# Altium PCB PCB4.PcbDoc (part 11 of 12) (continued)
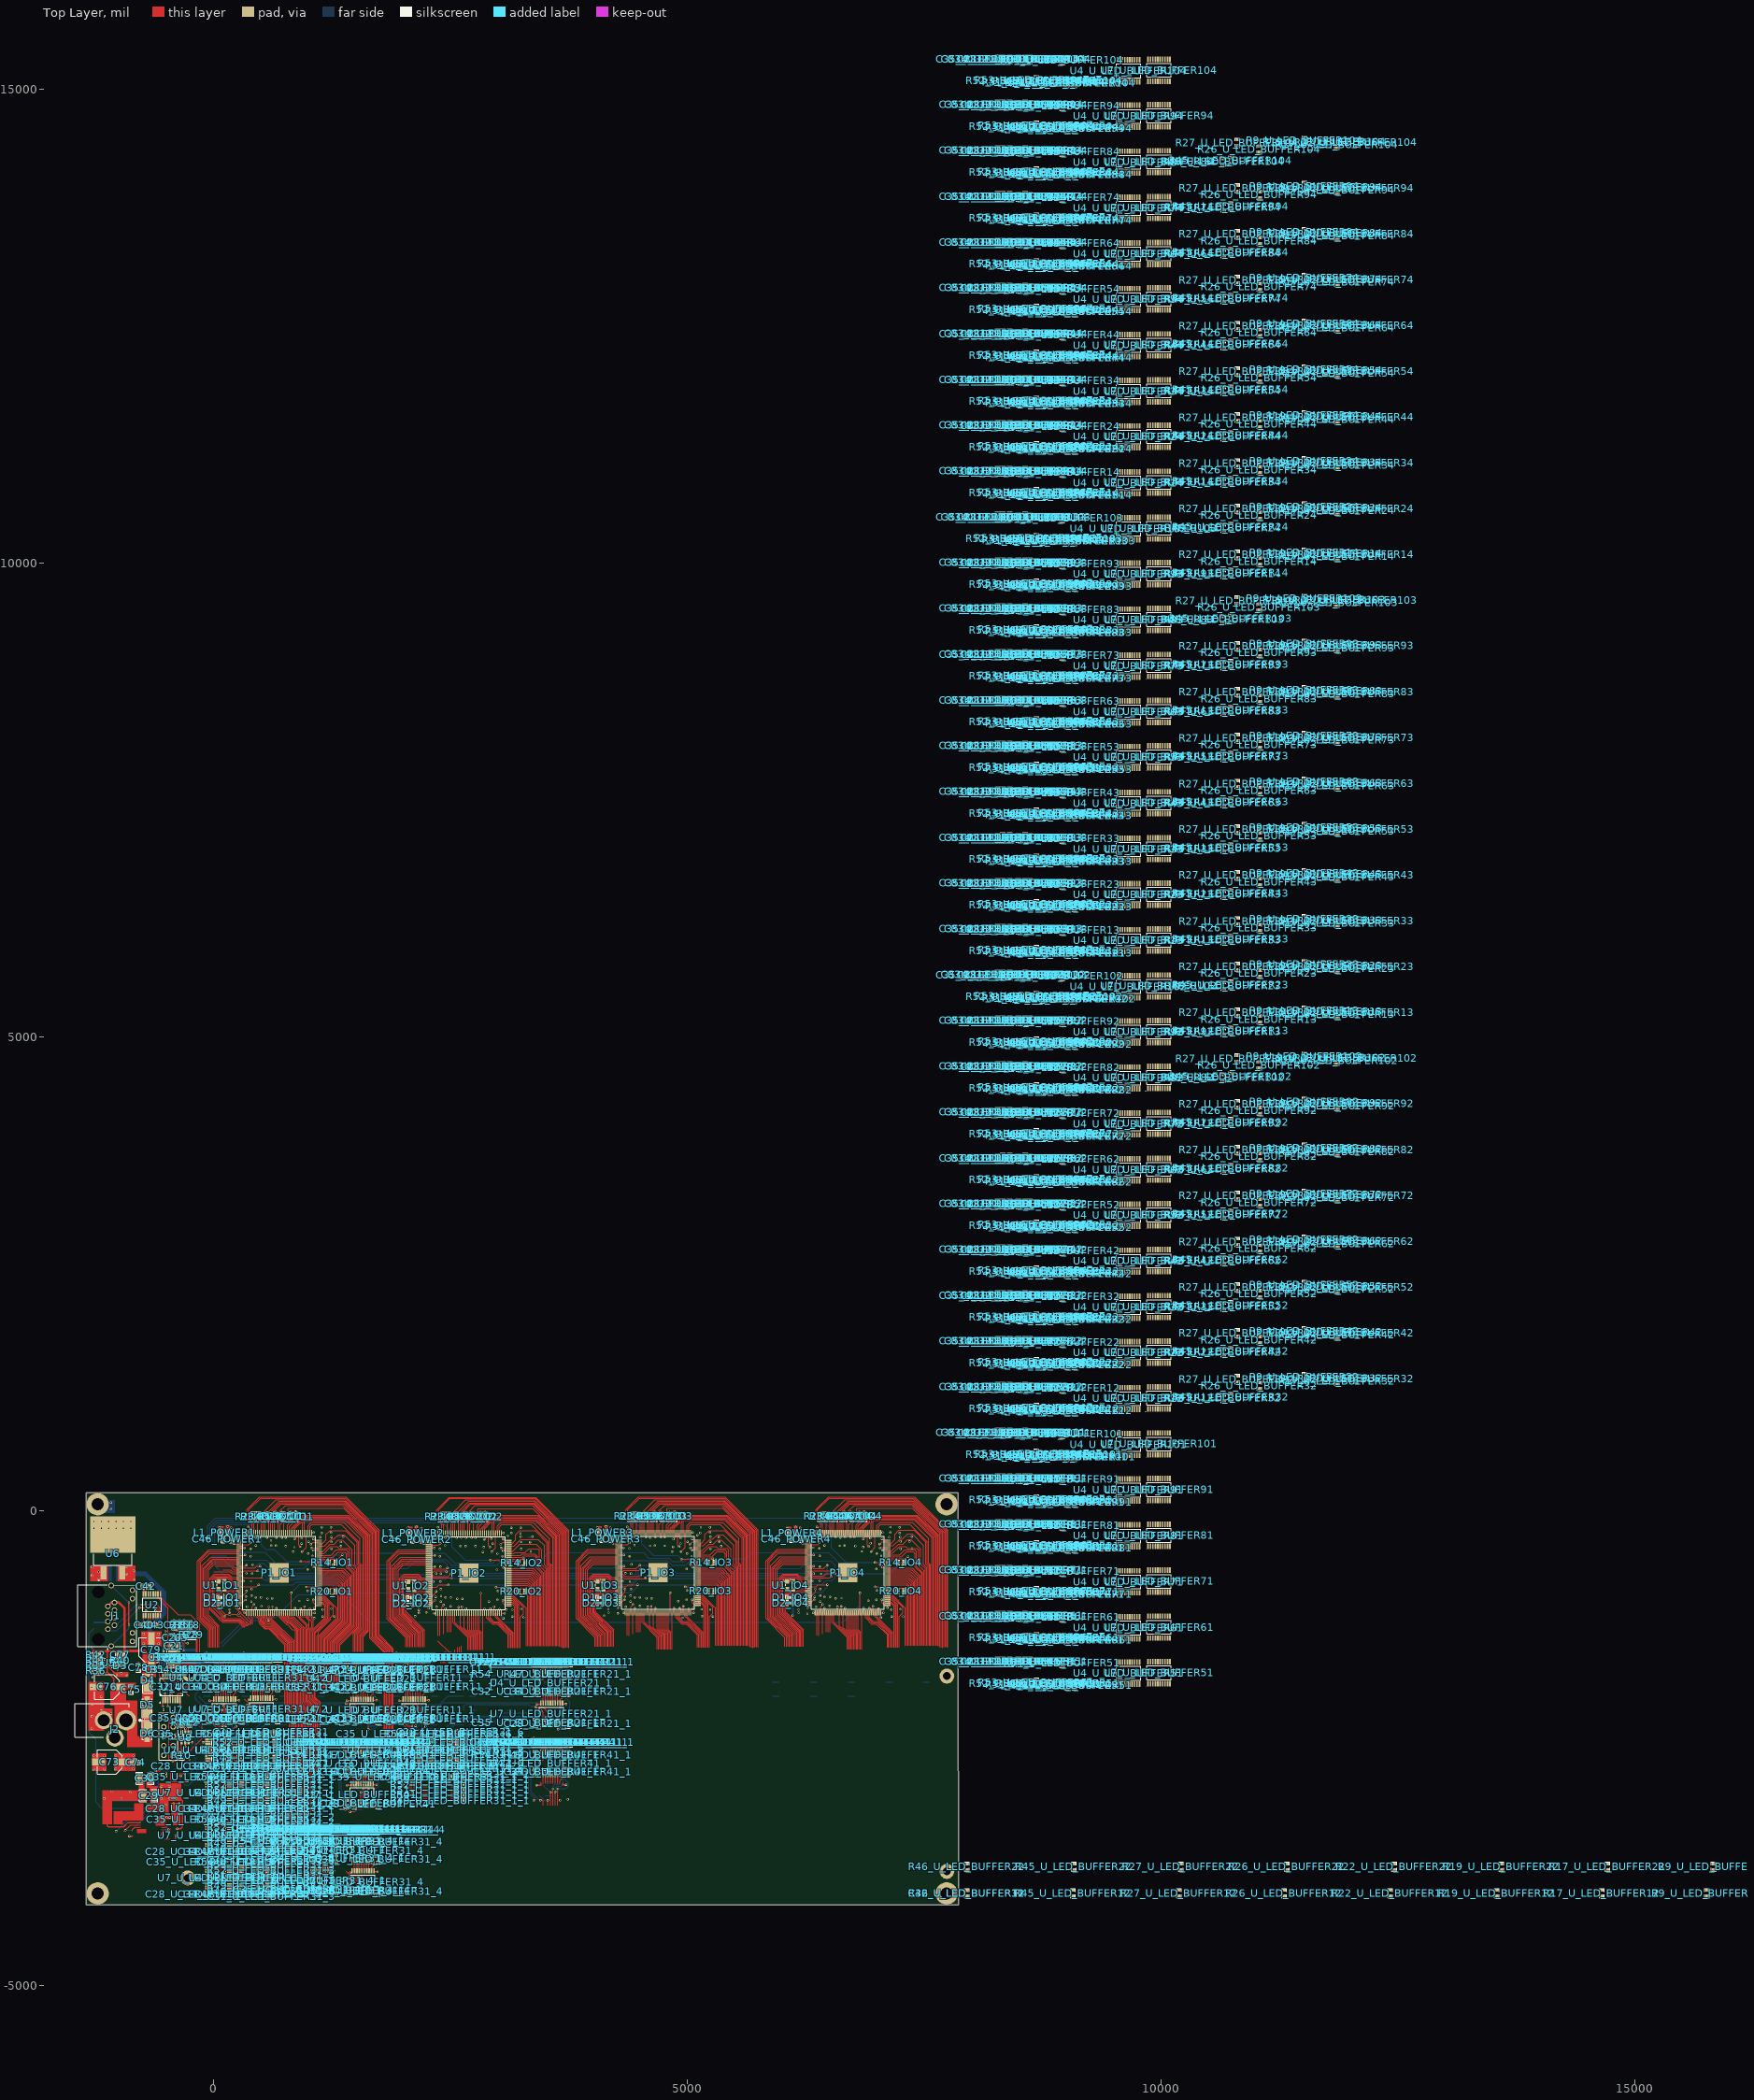
[diagram p0: Top Layer view]
## Nets (pads, with @x,y where several pads share a name; then routed paths per layer and width w, separated by ;. In a path a pad name is that pad's centre, name@x,y a point inside that pad or via, vN(x,y) a via of type N, cw(c..) or ccw(c..) an arc to the next point about the centre after c; other vN are vias at no path point) (continued)
  Top Layer w15: v1(7269.2,-567.16) 7270.92,-565.44 7270.92,-558.08 7286.2,-542.8 R14_IO4.2@7286.2,-540.3
  Bottom Layer w10: v1(6921.65,-1024.78) C66_POWER4.1@6923.4,-1024.78 ; v1@6932.66,-288.28 v1(6932.66,-285.27)
  other v1: 7278.85,-1113.13 6176.2,-1070.3 6174.2,-1038.3 7249.2,-1035.3 7019.2,-1028.3 6504.2,-998.3 6345.2,-903.3 7274.27,-862.66 6415.2,-661.3 6397.62,-583.01 6335.2,-461.3 6841.2,-424.3 7250.2,-397.3 6774.65,-368.23 7031.5,-346.69 7250.2,-319.3 6212.2,-303.3 6616.2,-277.3 7248.8,-273.3 6144.58,-242.76 7144.2,-226.3 6142.19,-204.18 7141.2,-168.3 6145.17,-166.78 6423.2,-10.3 6482.2,-10.3 6562.2,-10.3 6662.2,-7.3 6817.2,-5.3 6867.49,-3.74
X_25M_IO1: P1_IO1.27 U1_IO1.3 | length 289.7
  Top Layer w10: U1_IO1.3@125.16,-815.98 U1_IO1.3@127.56,-818.38 ; U1_IO1.3@127.56,-818.38 P1_IO1.27@270.71,-818.38 U1_IO1.3@127.56,-818.38
X_25M_IO2: P1_IO2.27 U1_IO2.3 | length 289.7
  Top Layer w10: U1_IO2.3@2126.26,-818.58 U1_IO2.3@2128.66,-820.98 ; U1_IO2.3@2128.66,-820.98 P1_IO2.27@2271.81,-820.98 U1_IO2.3@2128.66,-820.98
X_25M_IO3: P1_IO3.27 U1_IO3.3 | length 289.7
  Top Layer w10: U1_IO3.3@4123.16,-815.13 U1_IO3.3@4125.56,-817.53 ; U1_IO3.3@4125.56,-817.53 P1_IO3.27@4268.71,-817.53 U1_IO3.3@4125.56,-817.53
X_25M_IO4: P1_IO4.27 U1_IO4.3 | length 289.7
  Top Layer w10: U1_IO4.3@6126.16,-814.98 U1_IO4.3@6128.56,-817.38 ; U1_IO4.3@6128.56,-817.38 P1_IO4.27@6271.71,-817.38 U1_IO4.3@6128.56,-817.38
XSIG: P1_IO1.26 P1_IO2.26 P1_IO3.26 P1_IO4.26 | length 7115.2
  Top Layer w7: P1_IO1.26@270.71,-798.69 455.8,-798.69 v1(478.2,-776.3) ; P1_IO2.26@2271.81,-801.29 2357.9,-801.29 2380.3,-778.9 v1(2479.3,-778.9) ; P1_IO3.26@4268.71,-797.84 4354.8,-797.84 4377.2,-775.45 v1(4476.2,-775.45) ; P1_IO4.26@6271.71,-797.69 6357.8,-797.69 6380.2,-775.3 v1(6479.2,-775.3)
  Bottom Layer w7: v1(478.2,-776.3) 846.96,-776.3 874.11,-749.15 1307.35,-749.15 1420,-861.8 2138.2,-861.8 2221.1,-778.9 v1(2479.3,-778.9) 3878.9,-778.9 3953.96,-853.96 4418.71,-853.96 4476.2,-796.47 v1(4476.2,-775.45) 5925.45,-775.45 6005.14,-855.14 6421.31,-855.14 6477.38,-799.07 6477.38,-777.11 v1(6479.2,-775.3)
pads on no net: C28_U_LED_BUFFER11_1.1 C28_U_LED_BUFFER11_1.2 C28_U_LED_BUFFER21_1.1 C28_U_LED_BUFFER21_1.2 C28_U_LED_BUFFER31_1.1 C28_U_LED_BUFFER31_1.2 C28_U_LED_BUFFER31_2.1 C28_U_LED_BUFFER31_2.2 C28_U_LED_BUFFER31_3.1 C28_U_LED_BUFFER31_3.2 C28_U_LED_BUFFER31_4.1 C28_U_LED_BUFFER31_4.2 C28_U_LED_BUFFER31_4_1.1 C28_U_LED_BUFFER31_4_1.2 C28_U_LED_BUFFER31_6.1 C28_U_LED_BUFFER31_6.2 C31_U_LED_BUFFER11_1.1 C31_U_LED_BUFFER11_1.2 C31_U_LED_BUFFER21_1.1 C31_U_LED_BUFFER21_1.2 C31_U_LED_BUFFER31_1.1 C31_U_LED_BUFFER31_1.2 C31_U_LED_BUFFER31_2.1 C31_U_LED_BUFFER31_2.2 C31_U_LED_BUFFER31_3.1 C31_U_LED_BUFFER31_3.2 C31_U_LED_BUFFER31_4.1 C31_U_LED_BUFFER31_4.2 C31_U_LED_BUFFER31_4_1.1 C31_U_LED_BUFFER31_4_1.2 C31_U_LED_BUFFER31_4_2.1 C31_U_LED_BUFFER31_4_2.2 C31_U_LED_BUFFER31_6.1 C31_U_LED_BUFFER31_6.2 C31_U_LED_BUFFER41_1.1 C31_U_LED_BUFFER41_1.2 C32_U_LED_BUFFER11_1.1 C32_U_LED_BUFFER11_1.2 C32_U_LED_BUFFER21_1.1 C32_U_LED_BUFFER21_1.2 C32_U_LED_BUFFER41_1.1 C32_U_LED_BUFFER41_1.2 C33_U_LED_BUFFER11_1.1 C33_U_LED_BUFFER11_1.2 C33_U_LED_BUFFER21_1.1 C33_U_LED_BUFFER21_1.2 C33_U_LED_BUFFER31_1.1 C33_U_LED_BUFFER31_1.2 C33_U_LED_BUFFER31_1_1.1 C33_U_LED_BUFFER31_1_1.2 C33_U_LED_BUFFER31_2.1 C33_U_LED_BUFFER31_2.2 C33_U_LED_BUFFER31_3.1 C33_U_LED_BUFFER31_3.2 C33_U_LED_BUFFER31_4.1 C33_U_LED_BUFFER31_4.2 C33_U_LED_BUFFER31_4_1.2 C33_U_LED_BUFFER31_4_2.1 C33_U_LED_BUFFER31_4_2.2 C33_U_LED_BUFFER31_6.1 C33_U_LED_BUFFER31_6.2 C33_U_LED_BUFFER41_1.1 C33_U_LED_BUFFER41_1.2 C34_U_LED_BUFFER11_1.1 C34_U_LED_BUFFER11_1.2 C34_U_LED_BUFFER21_1.1 C34_U_LED_BUFFER21_1.2 C34_U_LED_BUFFER31_1.1 C34_U_LED_BUFFER31_1.2 C34_U_LED_BUFFER31_2.1 C34_U_LED_BUFFER31_2.2 C34_U_LED_BUFFER31_3.1 C34_U_LED_BUFFER31_3.2 C34_U_LED_BUFFER31_4.1 C34_U_LED_BUFFER31_4.2 C34_U_LED_BUFFER31_4_1.1 C34_U_LED_BUFFER31_4_1.2 C34_U_LED_BUFFER31_4_2.2 C34_U_LED_BUFFER31_6.1 C34_U_LED_BUFFER31_6.2 C34_U_LED_BUFFER41_1.1 C34_U_LED_BUFFER41_1.2 C35_U_LED_BUFFER11_1.1 C35_U_LED_BUFFER11_1.2 C35_U_LED_BUFFER21_1.1 C35_U_LED_BUFFER21_1.2 C35_U_LED_BUFFER31_1.1 C35_U_LED_BUFFER31_1.2 C35_U_LED_BUFFER31_1_1.1 C35_U_LED_BUFFER31_1_1.2 C35_U_LED_BUFFER31_2.1 C35_U_LED_BUFFER31_2.2 C35_U_LED_BUFFER31_3.1 C35_U_LED_BUFFER31_3.2 C35_U_LED_BUFFER31_4.1 C35_U_LED_BUFFER31_4.2 C35_U_LED_BUFFER31_4_1.1 C35_U_LED_BUFFER31_4_1.2 C35_U_LED_BUFFER31_6.1 C35_U_LED_BUFFER31_6.2 D7_U_LED_BUFFER11_1.1 D7_U_LED_BUFFER11_1.2 D7_U_LED_BUFFER21_1.1 D7_U_LED_BUFFER21_1.2 D7_U_LED_BUFFER31_1.1 D7_U_LED_BUFFER31_1.2 D7_U_LED_BUFFER41_1.1 D7_U_LED_BUFFER41_1.2 D7_U_LED_BUFFER51_1.1 D7_U_LED_BUFFER51_1.2 D8_U_LED_BUFFER11_1.1 D8_U_LED_BUFFER11_1.2 D8_U_LED_BUFFER21_1.1 D8_U_LED_BUFFER21_1.2 D8_U_LED_BUFFER31_1.1 D8_U_LED_BUFFER31_1.2 D8_U_LED_BUFFER41_1.1 D8_U_LED_BUFFER41_1.2 D8_U_LED_BUFFER51_1.1 D8_U_LED_BUFFER51_1.2 D8_U_LED_BUFFER61_1.1 D8_U_LED_BUFFER61_1.2 D9_U_LED_BUFFER11_1.1 D9_U_LED_BUFFER11_1.2 D9_U_LED_BUFFER21_1.1 D9_U_LED_BUFFER21_1.2 D9_U_LED_BUFFER31_1.1 D9_U_LED_BUFFER31_1.2 D9_U_LED_BUFFER41_1.1 D9_U_LED_BUFFER41_1.2 D9_U_LED_BUFFER61_1.1 D9_U_LED_BUFFER61_1.2 D10_U_LED_BUFFER11_1.1 D10_U_LED_BUFFER11_1.2 D10_U_LED_BUFFER21_1.1 D10_U_LED_BUFFER21_1.2 D10_U_LED_BUFFER31_1.1 D10_U_LED_BUFFER31_1.2 D10_U_LED_BUFFER41_1.1 D10_U_LED_BUFFER41_1.2 D10_U_LED_BUFFER61_1.1 D10_U_LED_BUFFER61_1.2 D11_U_LED_BUFFER11_1.1 D11_U_LED_BUFFER11_1.2 D11_U_LED_BUFFER21_1.1 D11_U_LED_BUFFER21_1.2 D11_U_LED_BUFFER31_1.1 D11_U_LED_BUFFER31_1.2 D11_U_LED_BUFFER41_1.1 D11_U_LED_BUFFER41_1.2 D11_U_LED_BUFFER51_1.1 D11_U_LED_BUFFER51_1.2 D12_U_LED_BUFFER11_1.1 D12_U_LED_BUFFER11_1.2 D12_U_LED_BUFFER21_1.1 D12_U_LED_BUFFER21_1.2 D12_U_LED_BUFFER31_1.1 D12_U_LED_BUFFER31_1.2 D12_U_LED_BUFFER51_1.1 D12_U_LED_BUFFER51_1.2 D13_U_LED_BUFFER11_1.1 D13_U_LED_BUFFER11_1.2 D13_U_LED_BUFFER21_1.1 D13_U_LED_BUFFER21_1.2 D13_U_LED_BUFFER31_1.1 D13_U_LED_BUFFER31_1.2 D13_U_LED_BUFFER41_1.1 D13_U_LED_BUFFER41_1.2 D13_U_LED_BUFFER51_1.1 D13_U_LED_BUFFER51_1.2 D14_U_LED_BUFFER11_1.1 D14_U_LED_BUFFER11_1.2 D14_U_LED_BUFFER21_1.1 D14_U_LED_BUFFER21_1.2 D14_U_LED_BUFFER31_1.1 D14_U_LED_BUFFER31_1.2 D14_U_LED_BUFFER41_1.1 D14_U_LED_BUFFER41_1.2 J1.3 J1.9 J1.10 J1.11 J1.12 J1.MH3 J1.MH4 J2.3 P1_IO1.145 P1_IO2.145 P1_IO3.145 P1_IO4.145 P3.6 P3.7 P3.8 R9_U_LED_BUFFER11_1.1 R9_U_LED_BUFFER11_1.2 R9_U_LED_BUFFER21_1.1 R9_U_LED_BUFFER21_1.2 R9_U_LED_BUFFER31_1.1 R9_U_LED_BUFFER31_1.2 R9_U_LED_BUFFER41_1.1 R9_U_LED_BUFFER41_1.2 R9_U_LED_BUFFER51_1.1 R9_U_LED_BUFFER51_1.2 R17_U_LED_BUFFER11_1.1 R17_U_LED_BUFFER11_1.2 R17_U_LED_BUFFER21_1.1 R17_U_LED_BUFFER21_1.2 R17_U_LED_BUFFER31_1.1 R17_U_LED_BUFFER31_1.2 R17_U_LED_BUFFER41_1.1 R17_U_LED_BUFFER41_1.2 R17_U_LED_BUFFER51_1.1 R17_U_LED_BUFFER51_1.2 R17_U_LED_BUFFER61_1.1 R17_U_LED_BUFFER61_1.2 R19_U_LED_BUFFER11_1.1 R19_U_LED_BUFFER11_1.2 R19_U_LED_BUFFER31_1.1 R19_U_LED_BUFFER31_1.2 R19_U_LED_BUFFER41_1.1 R19_U_LED_BUFFER41_1.2 R19_U_LED_BUFFER61_1.1 R19_U_LED_BUFFER61_1.2 R22_U_LED_BUFFER11_1.1 R22_U_LED_BUFFER11_1.2 R22_U_LED_BUFFER21_1.1 R22_U_LED_BUFFER21_1.2 R22_U_LED_BUFFER31_1.1 R22_U_LED_BUFFER31_1.2 R22_U_LED_BUFFER41_1.1 R22_U_LED_BUFFER41_1.2 R22_U_LED_BUFFER61_1.1 R22_U_LED_BUFFER61_1.2 R26_U_LED_BUFFER11_1.1 R26_U_LED_BUFFER11_1.2 R26_U_LED_BUFFER21_1.1 R26_U_LED_BUFFER21_1.2 R26_U_LED_BUFFER41_1.1 R26_U_LED_BUFFER41_1.2 R26_U_LED_BUFFER51_1.1 R26_U_LED_BUFFER51_1.2 R27_U_LED_BUFFER21_1.1 R27_U_LED_BUFFER21_1.2 R27_U_LED_BUFFER31_1.1 R27_U_LED_BUFFER31_1.2 R27_U_LED_BUFFER51_1.1 R27_U_LED_BUFFER51_1.2 R45_U_LED_BUFFER11_1.1 R45_U_LED_BUFFER11_1.2 R45_U_LED_BUFFER21_1.1 R45_U_LED_BUFFER21_1.2 R45_U_LED_BUFFER31_1.1 R45_U_LED_BUFFER31_1.2 R45_U_LED_BUFFER41_1.1 R45_U_LED_BUFFER41_1.2 R45_U_LED_BUFFER51_1.1 R45_U_LED_BUFFER51_1.2 R46_U_LED_BUFFER11_1.1 R46_U_LED_BUFFER11_1.2 R46_U_LED_BUFFER31_1.1 R46_U_LED_BUFFER31_1.2 R46_U_LED_BUFFER41_1.1 R46_U_LED_BUFFER41_1.2 R47_U_LED_BUFFER11_1.1 R47_U_LED_BUFFER11_1.2 R47_U_LED_BUFFER21_1.1 R47_U_LED_BUFFER21_1.2 R47_U_LED_BUFFER31_1.1 R47_U_LED_BUFFER31_1.2 R47_U_LED_BUFFER31_2.1 R47_U_LED_BUFFER31_2.2 R47_U_LED_BUFFER31_3.1 R47_U_LED_BUFFER31_3.2 R47_U_LED_BUFFER31_4.1 R47_U_LED_BUFFER31_4.2 R47_U_LED_BUFFER31_4_1.1 R47_U_LED_BUFFER31_4_1.2 R47_U_LED_BUFFER31_4_2.1 R47_U_LED_BUFFER31_4_2.2 R47_U_LED_BUFFER31_6.1 R47_U_LED_BUFFER31_6.2 R47_U_LED_BUFFER41_1.1 R47_U_LED_BUFFER41_1.2 R48_U_LED_BUFFER11_1.1 R48_U_LED_BUFFER11_1.2 R48_U_LED_BUFFER21_1.1 R48_U_LED_BUFFER21_1.2 R48_U_LED_BUFFER31_1.1 R48_U_LED_BUFFER31_1.2 R48_U_LED_BUFFER31_2.1 R48_U_LED_BUFFER31_2.2 R48_U_LED_BUFFER31_3.1 R48_U_LED_BUFFER31_3.2 R48_U_LED_BUFFER31_4.1 R48_U_LED_BUFFER31_4.2 R48_U_LED_BUFFER31_4_1.1 R48_U_LED_BUFFER31_4_1.2 R48_U_LED_BUFFER31_4_2.1 R48_U_LED_BUFFER31_4_2.2 R48_U_LED_BUFFER31_6.1 R48_U_LED_BUFFER31_6.2 R48_U_LED_BUFFER41_1.1 R48_U_LED_BUFFER41_1.2 R49_U_LED_BUFFER11_1.1 R49_U_LED_BUFFER11_1.2 R49_U_LED_BUFFER21_1.1 R49_U_LED_BUFFER21_1.2 R49_U_LED_BUFFER31_1.1 R49_U_LED_BUFFER31_1.2 R49_U_LED_BUFFER31_1_1.1 R49_U_LED_BUFFER31_1_1.2 R49_U_LED_BUFFER31_2.1 R49_U_LED_BUFFER31_2.2 R49_U_LED_BUFFER31_3.1 R49_U_LED_BUFFER31_3.2 R49_U_LED_BUFFER31_4.1 R49_U_LED_BUFFER31_4.2 R49_U_LED_BUFFER31_4_1.1 R49_U_LED_BUFFER31_4_1.2 R49_U_LED_BUFFER31_4_2.1 R49_U_LED_BUFFER31_4_2.2 R49_U_LED_BUFFER31_6.1 R49_U_LED_BUFFER31_6.2 R49_U_LED_BUFFER41_1.1 R49_U_LED_BUFFER41_1.2 R50_U_LED_BUFFER11_1.1 R50_U_LED_BUFFER11_1.2 R50_U_LED_BUFFER21_1.1 R50_U_LED_BUFFER21_1.2 R50_U_LED_BUFFER31_1.1 R50_U_LED_BUFFER31_1.2 R50_U_LED_BUFFER31_1_1.1 R50_U_LED_BUFFER31_1_1.2 R50_U_LED_BUFFER31_2.1 R50_U_LED_BUFFER31_2.2 R50_U_LED_BUFFER31_3.1 R50_U_LED_BUFFER31_3.2 R50_U_LED_BUFFER31_4.1 R50_U_LED_BUFFER31_4.2 R50_U_LED_BUFFER31_4_1.1 R50_U_LED_BUFFER31_4_1.2 R50_U_LED_BUFFER31_4_2.1 R50_U_LED_BUFFER31_4_2.2 R50_U_LED_BUFFER31_6.1 R50_U_LED_BUFFER31_6.2 R50_U_LED_BUFFER41_1.1 R50_U_LED_BUFFER41_1.2 R51_U_LED_BUFFER11_1.1 R51_U_LED_BUFFER11_1.2 R51_U_LED_BUFFER21_1.1 R51_U_LED_BUFFER21_1.2 R51_U_LED_BUFFER31_1.1 R51_U_LED_BUFFER31_1.2 R51_U_LED_BUFFER31_1_1.1 R51_U_LED_BUFFER31_1_1.2 R51_U_LED_BUFFER31_2.1 R51_U_LED_BUFFER31_2.2 R51_U_LED_BUFFER31_3.1 R51_U_LED_BUFFER31_3.2 R51_U_LED_BUFFER31_4.1 R51_U_LED_BUFFER31_4.2 R51_U_LED_BUFFER31_4_1.1 R51_U_LED_BUFFER31_4_1.2 R51_U_LED_BUFFER31_4_2.1 R51_U_LED_BUFFER31_4_2.2 R51_U_LED_BUFFER31_6.1 R51_U_LED_BUFFER31_6.2 R51_U_LED_BUFFER41_1.1 R51_U_LED_BUFFER41_1.2 R52_U_LED_BUFFER11_1.1 R52_U_LED_BUFFER11_1.2 R52_U_LED_BUFFER21_1.1 R52_U_LED_BUFFER21_1.2 R52_U_LED_BUFFER31_1.1 R52_U_LED_BUFFER31_1.2 R52_U_LED_BUFFER31_1_1.1 R52_U_LED_BUFFER31_1_1.2 R52_U_LED_BUFFER31_2.1 R52_U_LED_BUFFER31_2.2 R52_U_LED_BUFFER31_3.1 R52_U_LED_BUFFER31_3.2 R52_U_LED_BUFFER31_4.1 R52_U_LED_BUFFER31_4.2 R52_U_LED_BUFFER31_4_1.1 R52_U_LED_BUFFER31_4_1.2 R52_U_LED_BUFFER31_4_2.1 R52_U_LED_BUFFER31_4_2.2 R52_U_LED_BUFFER31_6.1 R52_U_LED_BUFFER31_6.2 R52_U_LED_BUFFER41_1.1 R52_U_LED_BUFFER41_1.2 R53_U_LED_BUFFER11_1.1 R53_U_LED_BUFFER11_1.2 R53_U_LED_BUFFER21_1.1 R53_U_LED_BUFFER21_1.2 R53_U_LED_BUFFER31_1.1 R53_U_LED_BUFFER31_1.2 R53_U_LED_BUFFER31_1_1.1 R53_U_LED_BUFFER31_1_1.2 R53_U_LED_BUFFER31_2.1 R53_U_LED_BUFFER31_2.2 R53_U_LED_BUFFER31_3.1 R53_U_LED_BUFFER31_3.2 R53_U_LED_BUFFER31_4.1 R53_U_LED_BUFFER31_4.2 R53_U_LED_BUFFER31_4_1.1 R53_U_LED_BUFFER31_4_1.2 R53_U_LED_BUFFER31_4_2.1 R53_U_LED_BUFFER31_4_2.2 R53_U_LED_BUFFER31_6.1 R53_U_LED_BUFFER31_6.2 R53_U_LED_BUFFER41_1.1 R53_U_LED_BUFFER41_1.2 R54_U_LED_BUFFER11_1.1 R54_U_LED_BUFFER11_1.2 R54_U_LED_BUFFER21_1.1 R54_U_LED_BUFFER21_1.2 R54_U_LED_BUFFER31_1.1 R54_U_LED_BUFFER31_1.2 R54_U_LED_BUFFER31_1_1.1 R54_U_LED_BUFFER31_1_1.2 R54_U_LED_BUFFER31_2.1 R54_U_LED_BUFFER31_2.2 R54_U_LED_BUFFER31_3.1 R54_U_LED_BUFFER31_3.2 R54_U_LED_BUFFER31_4.1 R54_U_LED_BUFFER31_4.2 R54_U_LED_BUFFER31_4_1.1 R54_U_LED_BUFFER31_4_1.2 R54_U_LED_BUFFER31_4_2.1 R54_U_LED_BUFFER31_4_2.2 R54_U_LED_BUFFER31_6.1 R54_U_LED_BUFFER31_6.2 R54_U_LED_BUFFER41_1.1 R54_U_LED_BUFFER41_1.2 U2.11 U2.12 U2.13 U2.14 U4_U_LED_BUFFER11_1.1 U4_U_LED_BUFFER11_1.2 U4_U_LED_BUFFER11_1.3 U4_U_LED_BUFFER11_1.4 U4_U_LED_BUFFER11_1.5 U4_U_LED_BUFFER11_1.6 U4_U_LED_BUFFER11_1.7 U4_U_LED_BUFFER11_1.8 U4_U_LED_BUFFER11_1.9 U4_U_LED_BUFFER11_1.10 U4_U_LED_BUFFER11_1.11 U4_U_LED_BUFFER11_1.12 U4_U_LED_BUFFER11_1.13 U4_U_LED_BUFFER11_1.14 U4_U_LED_BUFFER11_1.15 U4_U_LED_BUFFER11_1.16 U4_U_LED_BUFFER11_1.17 U4_U_LED_BUFFER11_1.18 U4_U_LED_BUFFER11_1.19 U4_U_LED_BUFFER11_1.20 U4_U_LED_BUFFER21_1.1 U4_U_LED_BUFFER21_1.2 U4_U_LED_BUFFER21_1.3 U4_U_LED_BUFFER21_1.4 U4_U_LED_BUFFER21_1.5 U4_U_LED_BUFFER21_1.6 U4_U_LED_BUFFER21_1.7 U4_U_LED_BUFFER21_1.8 U4_U_LED_BUFFER21_1.9 U4_U_LED_BUFFER21_1.10 U4_U_LED_BUFFER21_1.11 U4_U_LED_BUFFER21_1.12 U4_U_LED_BUFFER21_1.13 U4_U_LED_BUFFER21_1.14 U4_U_LED_BUFFER21_1.15 U4_U_LED_BUFFER21_1.16 U4_U_LED_BUFFER21_1.17 U4_U_LED_BUFFER21_1.18 U4_U_LED_BUFFER21_1.19 U4_U_LED_BUFFER21_1.20 U4_U_LED_BUFFER31_1.1 U4_U_LED_BUFFER31_1.2 U4_U_LED_BUFFER31_1.3 U4_U_LED_BUFFER31_1.4 U4_U_LED_BUFFER31_1.5 U4_U_LED_BUFFER31_1.6 U4_U_LED_BUFFER31_1.7 U4_U_LED_BUFFER31_1.8 U4_U_LED_BUFFER31_1.9 U4_U_LED_BUFFER31_1.10 U4_U_LED_BUFFER31_1.11 U4_U_LED_BUFFER31_1.12 U4_U_LED_BUFFER31_1.13 U4_U_LED_BUFFER31_1.14 U4_U_LED_BUFFER31_1.15 U4_U_LED_BUFFER31_1.16 U4_U_LED_BUFFER31_1.17 U4_U_LED_BUFFER31_1.18 U4_U_LED_BUFFER31_1.19 U4_U_LED_BUFFER31_1.20 U4_U_LED_BUFFER31_2.1 U4_U_LED_BUFFER31_2.2 U4_U_LED_BUFFER31_2.3 U4_U_LED_BUFFER31_2.4 U4_U_LED_BUFFER31_2.5 U4_U_LED_BUFFER31_2.6 U4_U_LED_BUFFER31_2.7 U4_U_LED_BUFFER31_2.8 U4_U_LED_BUFFER31_2.9 U4_U_LED_BUFFER31_2.10 U4_U_LED_BUFFER31_2.11 U4_U_LED_BUFFER31_2.12 U4_U_LED_BUFFER31_2.13 U4_U_LED_BUFFER31_2.14 U4_U_LED_BUFFER31_2.15 U4_U_LED_BUFFER31_2.16 U4_U_LED_BUFFER31_2.17 U4_U_LED_BUFFER31_2.18 U4_U_LED_BUFFER31_2.19 U4_U_LED_BUFFER31_2.20 U4_U_LED_BUFFER31_3.1 U4_U_LED_BUFFER31_3.2 U4_U_LED_BUFFER31_3.3 U4_U_LED_BUFFER31_3.4 U4_U_LED_BUFFER31_3.5 U4_U_LED_BUFFER31_3.6 U4_U_LED_BUFFER31_3.7 U4_U_LED_BUFFER31_3.8 U4_U_LED_BUFFER31_3.9 U4_U_LED_BUFFER31_3.10 U4_U_LED_BUFFER31_3.11 U4_U_LED_BUFFER31_3.12 U4_U_LED_BUFFER31_3.13 U4_U_LED_BUFFER31_3.14 U4_U_LED_BUFFER31_3.15 U4_U_LED_BUFFER31_3.16 U4_U_LED_BUFFER31_3.17 U4_U_LED_BUFFER31_3.18 U4_U_LED_BUFFER31_3.19 U4_U_LED_BUFFER31_3.20 U4_U_LED_BUFFER31_4.1 U4_U_LED_BUFFER31_4.2 U4_U_LED_BUFFER31_4.3 U4_U_LED_BUFFER31_4.4 U4_U_LED_BUFFER31_4.5 U4_U_LED_BUFFER31_4.6 U4_U_LED_BUFFER31_4.7 U4_U_LED_BUFFER31_4.8 U4_U_LED_BUFFER31_4.9 U4_U_LED_BUFFER31_4.10 U4_U_LED_BUFFER31_4.12 U4_U_LED_BUFFER31_4.13 U4_U_LED_BUFFER31_4.14 U4_U_LED_BUFFER31_4.15 U4_U_LED_BUFFER31_4.16 U4_U_LED_BUFFER31_4.17 U4_U_LED_BUFFER31_4.18 U4_U_LED_BUFFER31_4.19 U4_U_LED_BUFFER31_4.20 U4_U_LED_BUFFER31_4_1.1 U4_U_LED_BUFFER31_4_1.2 U4_U_LED_BUFFER31_4_1.3 U4_U_LED_BUFFER31_4_1.4 U4_U_LED_BUFFER31_4_1.5 U4_U_LED_BUFFER31_4_1.6 U4_U_LED_BUFFER31_4_1.7 U4_U_LED_BUFFER31_4_1.8 U4_U_LED_BUFFER31_4_1.9 U4_U_LED_BUFFER31_4_1.10 U4_U_LED_BUFFER31_4_1.12 U4_U_LED_BUFFER31_4_1.13 U4_U_LED_BUFFER31_4_1.14 U4_U_LED_BUFFER31_4_1.15 U4_U_LED_BUFFER31_4_1.16 U4_U_LED_BUFFER31_4_1.17 U4_U_LED_BUFFER31_4_1.18 U4_U_LED_BUFFER31_4_1.19 U4_U_LED_BUFFER31_4_1.20 U4_U_LED_BUFFER31_4_2.1 U4_U_LED_BUFFER31_4_2.2 U4_U_LED_BUFFER31_4_2.3 U4_U_LED_BUFFER31_4_2.4 U4_U_LED_BUFFER31_4_2.5 U4_U_LED_BUFFER31_4_2.6 U4_U_LED_BUFFER31_4_2.7 U4_U_LED_BUFFER31_4_2.8 U4_U_LED_BUFFER31_4_2.9 U4_U_LED_BUFFER31_4_2.10 U4_U_LED_BUFFER31_4_2.12 U4_U_LED_BUFFER31_4_2.13 U4_U_LED_BUFFER31_4_2.14 U4_U_LED_BUFFER31_4_2.15 U4_U_LED_BUFFER31_4_2.16 U4_U_LED_BUFFER31_4_2.17 U4_U_LED_BUFFER31_4_2.18 U4_U_LED_BUFFER31_4_2.19 U4_U_LED_BUFFER31_4_2.20 U4_U_LED_BUFFER31_6.1 U4_U_LED_BUFFER31_6.2 U4_U_LED_BUFFER31_6.3 U4_U_LED_BUFFER31_6.4 U4_U_LED_BUFFER31_6.5 U4_U_LED_BUFFER31_6.6 U4_U_LED_BUFFER31_6.7 U4_U_LED_BUFFER31_6.8 U4_U_LED_BUFFER31_6.9 U4_U_LED_BUFFER31_6.10 U4_U_LED_BUFFER31_6.11 U4_U_LED_BUFFER31_6.12 U4_U_LED_BUFFER31_6.13 U4_U_LED_BUFFER31_6.14 U4_U_LED_BUFFER31_6.15 U4_U_LED_BUFFER31_6.16 U4_U_LED_BUFFER31_6.17 U4_U_LED_BUFFER31_6.18 U4_U_LED_BUFFER31_6.19 U4_U_LED_BUFFER31_6.20 U4_U_LED_BUFFER41_1.1 U4_U_LED_BUFFER41_1.2 U4_U_LED_BUFFER41_1.3 U4_U_LED_BUFFER41_1.4 U4_U_LED_BUFFER41_1.5 U4_U_LED_BUFFER41_1.6 U4_U_LED_BUFFER41_1.7 U4_U_LED_BUFFER41_1.8 U4_U_LED_BUFFER41_1.9 U4_U_LED_BUFFER41_1.10 U4_U_LED_BUFFER41_1.11 U4_U_LED_BUFFER41_1.12 U4_U_LED_BUFFER41_1.13 U4_U_LED_BUFFER41_1.14 U4_U_LED_BUFFER41_1.15 U4_U_LED_BUFFER41_1.16 U4_U_LED_BUFFER41_1.17 U4_U_LED_BUFFER41_1.18 U4_U_LED_BUFFER41_1.19 U4_U_LED_BUFFER41_1.20 U7_U_LED_BUFFER11_1.1 U7_U_LED_BUFFER11_1.2 U7_U_LED_BUFFER11_1.3 U7_U_LED_BUFFER11_1.4 U7_U_LED_BUFFER11_1.5 U7_U_LED_BUFFER11_1.6 U7_U_LED_BUFFER11_1.7 U7_U_LED_BUFFER11_1.8 U7_U_LED_BUFFER11_1.9 U7_U_LED_BUFFER11_1.10 U7_U_LED_BUFFER11_1.11 U7_U_LED_BUFFER11_1.12 U7_U_LED_BUFFER11_1.13 U7_U_LED_BUFFER11_1.14 U7_U_LED_BUFFER11_1.15 U7_U_LED_BUFFER11_1.16 U7_U_LED_BUFFER11_1.17 U7_U_LED_BUFFER11_1.18 U7_U_LED_BUFFER11_1.19 U7_U_LED_BUFFER11_1.20 U7_U_LED_BUFFER21_1.1 U7_U_LED_BUFFER21_1.2 U7_U_LED_BUFFER21_1.3 U7_U_LED_BUFFER21_1.4 U7_U_LED_BUFFER21_1.5 U7_U_LED_BUFFER21_1.6 U7_U_LED_BUFFER21_1.7 U7_U_LED_BUFFER21_1.8 U7_U_LED_BUFFER21_1.9 U7_U_LED_BUFFER21_1.10 U7_U_LED_BUFFER21_1.11 U7_U_LED_BUFFER21_1.12 U7_U_LED_BUFFER21_1.13 U7_U_LED_BUFFER21_1.14 U7_U_LED_BUFFER21_1.15 U7_U_LED_BUFFER21_1.16 U7_U_LED_BUFFER21_1.17 U7_U_LED_BUFFER21_1.18 U7_U_LED_BUFFER21_1.19 U7_U_LED_BUFFER21_1.20 U7_U_LED_BUFFER31_1.1 U7_U_LED_BUFFER31_1.2 U7_U_LED_BUFFER31_1.3 U7_U_LED_BUFFER31_1.4 U7_U_LED_BUFFER31_1.5 U7_U_LED_BUFFER31_1.6 U7_U_LED_BUFFER31_1.7 U7_U_LED_BUFFER31_1.8 U7_U_LED_BUFFER31_1.9 U7_U_LED_BUFFER31_1.10 U7_U_LED_BUFFER31_1.11 U7_U_LED_BUFFER31_1.12 U7_U_LED_BUFFER31_1.13 U7_U_LED_BUFFER31_1.14 U7_U_LED_BUFFER31_1.15 U7_U_LED_BUFFER31_1.16 U7_U_LED_BUFFER31_1.17 U7_U_LED_BUFFER31_1.18 U7_U_LED_BUFFER31_1.19 U7_U_LED_BUFFER31_1.20 U7_U_LED_BUFFER31_2.1 U7_U_LED_BUFFER31_2.2 U7_U_LED_BUFFER31_2.3 U7_U_LED_BUFFER31_2.4 U7_U_LED_BUFFER31_2.5 U7_U_LED_BUFFER31_2.6 U7_U_LED_BUFFER31_2.7 U7_U_LED_BUFFER31_2.8 U7_U_LED_BUFFER31_2.9 U7_U_LED_BUFFER31_2.10 U7_U_LED_BUFFER31_2.11 U7_U_LED_BUFFER31_2.12 U7_U_LED_BUFFER31_2.13 U7_U_LED_BUFFER31_2.14 U7_U_LED_BUFFER31_2.15 U7_U_LED_BUFFER31_2.16 U7_U_LED_BUFFER31_2.17 U7_U_LED_BUFFER31_2.18 U7_U_LED_BUFFER31_2.19 U7_U_LED_BUFFER31_2.20 U7_U_LED_BUFFER31_3.1 U7_U_LED_BUFFER31_3.2 U7_U_LED_BUFFER31_3.3 U7_U_LED_BUFFER31_3.4 U7_U_LED_BUFFER31_3.5 U7_U_LED_BUFFER31_3.6 U7_U_LED_BUFFER31_3.7 U7_U_LED_BUFFER31_3.8 U7_U_LED_BUFFER31_3.9 U7_U_LED_BUFFER31_3.10 U7_U_LED_BUFFER31_3.11 U7_U_LED_BUFFER31_3.12 U7_U_LED_BUFFER31_3.13 U7_U_LED_BUFFER31_3.14 U7_U_LED_BUFFER31_3.15 U7_U_LED_BUFFER31_3.16 U7_U_LED_BUFFER31_3.17 U7_U_LED_BUFFER31_3.18 U7_U_LED_BUFFER31_3.19 U7_U_LED_BUFFER31_3.20 U7_U_LED_BUFFER31_4.1 U7_U_LED_BUFFER31_4.2 U7_U_LED_BUFFER31_4.3 U7_U_LED_BUFFER31_4.4 U7_U_LED_BUFFER31_4.5 U7_U_LED_BUFFER31_4.6 U7_U_LED_BUFFER31_4.7 U7_U_LED_BUFFER31_4.8 U7_U_LED_BUFFER31_4.9 U7_U_LED_BUFFER31_4.10 U7_U_LED_BUFFER31_4.11 U7_U_LED_BUFFER31_4.12 U7_U_LED_BUFFER31_4.13 U7_U_LED_BUFFER31_4.14 U7_U_LED_BUFFER31_4.15 U7_U_LED_BUFFER31_4.17 U7_U_LED_BUFFER31_4.18 U7_U_LED_BUFFER31_4.19 U7_U_LED_BUFFER31_4.20 U7_U_LED_BUFFER31_4_1.1 U7_U_LED_BUFFER31_4_1.2 U7_U_LED_BUFFER31_4_1.3 U7_U_LED_BUFFER31_4_1.4 U7_U_LED_BUFFER31_4_1.5 U7_U_LED_BUFFER31_4_1.6 U7_U_LED_BUFFER31_4_1.7 U7_U_LED_BUFFER31_4_1.8 U7_U_LED_BUFFER31_4_1.9 U7_U_LED_BUFFER31_4_1.10 U7_U_LED_BUFFER31_4_1.11 U7_U_LED_BUFFER31_4_1.12 U7_U_LED_BUFFER31_4_1.13 U7_U_LED_BUFFER31_4_1.14 U7_U_LED_BUFFER31_4_1.15 U7_U_LED_BUFFER31_4_1.16 U7_U_LED_BUFFER31_4_1.17 U7_U_LED_BUFFER31_4_1.18 U7_U_LED_BUFFER31_4_1.19 U7_U_LED_BUFFER31_4_1.20 U7_U_LED_BUFFER31_4_2.1 U7_U_LED_BUFFER31_4_2.2 U7_U_LED_BUFFER31_4_2.3 U7_U_LED_BUFFER31_4_2.4 U7_U_LED_BUFFER31_4_2.5 U7_U_LED_BUFFER31_4_2.6 U7_U_LED_BUFFER31_4_2.7 U7_U_LED_BUFFER31_4_2.8 U7_U_LED_BUFFER31_4_2.9 U7_U_LED_BUFFER31_4_2.10 U7_U_LED_BUFFER31_4_2.11 U7_U_LED_BUFFER31_4_2.12 U7_U_LED_BUFFER31_4_2.14 U7_U_LED_BUFFER31_4_2.18 U7_U_LED_BUFFER31_4_2.19 U7_U_LED_BUFFER31_6.1 U7_U_LED_BUFFER31_6.2 U7_U_LED_BUFFER31_6.3 U7_U_LED_BUFFER31_6.4 U7_U_LED_BUFFER31_6.5 U7_U_LED_BUFFER31_6.6 U7_U_LED_BUFFER31_6.7 U7_U_LED_BUFFER31_6.8 U7_U_LED_BUFFER31_6.9 U7_U_LED_BUFFER31_6.10 U7_U_LED_BUFFER31_6.11 U7_U_LED_BUFFER31_6.12 U7_U_LED_BUFFER31_6.13 U7_U_LED_BUFFER31_6.14 U7_U_LED_BUFFER31_6.15 U7_U_LED_BUFFER31_6.16 U7_U_LED_BUFFER31_6.17 U7_U_LED_BUFFER31_6.18 U7_U_LED_BUFFER31_6.19 U7_U_LED_BUFFER31_6.20 U14.6 U14.12 U14.13 U14.14 U14.15